# Altium PCB UZ_D_Optical_Daughter.PcbDoc (part 1 of 2) (continued)
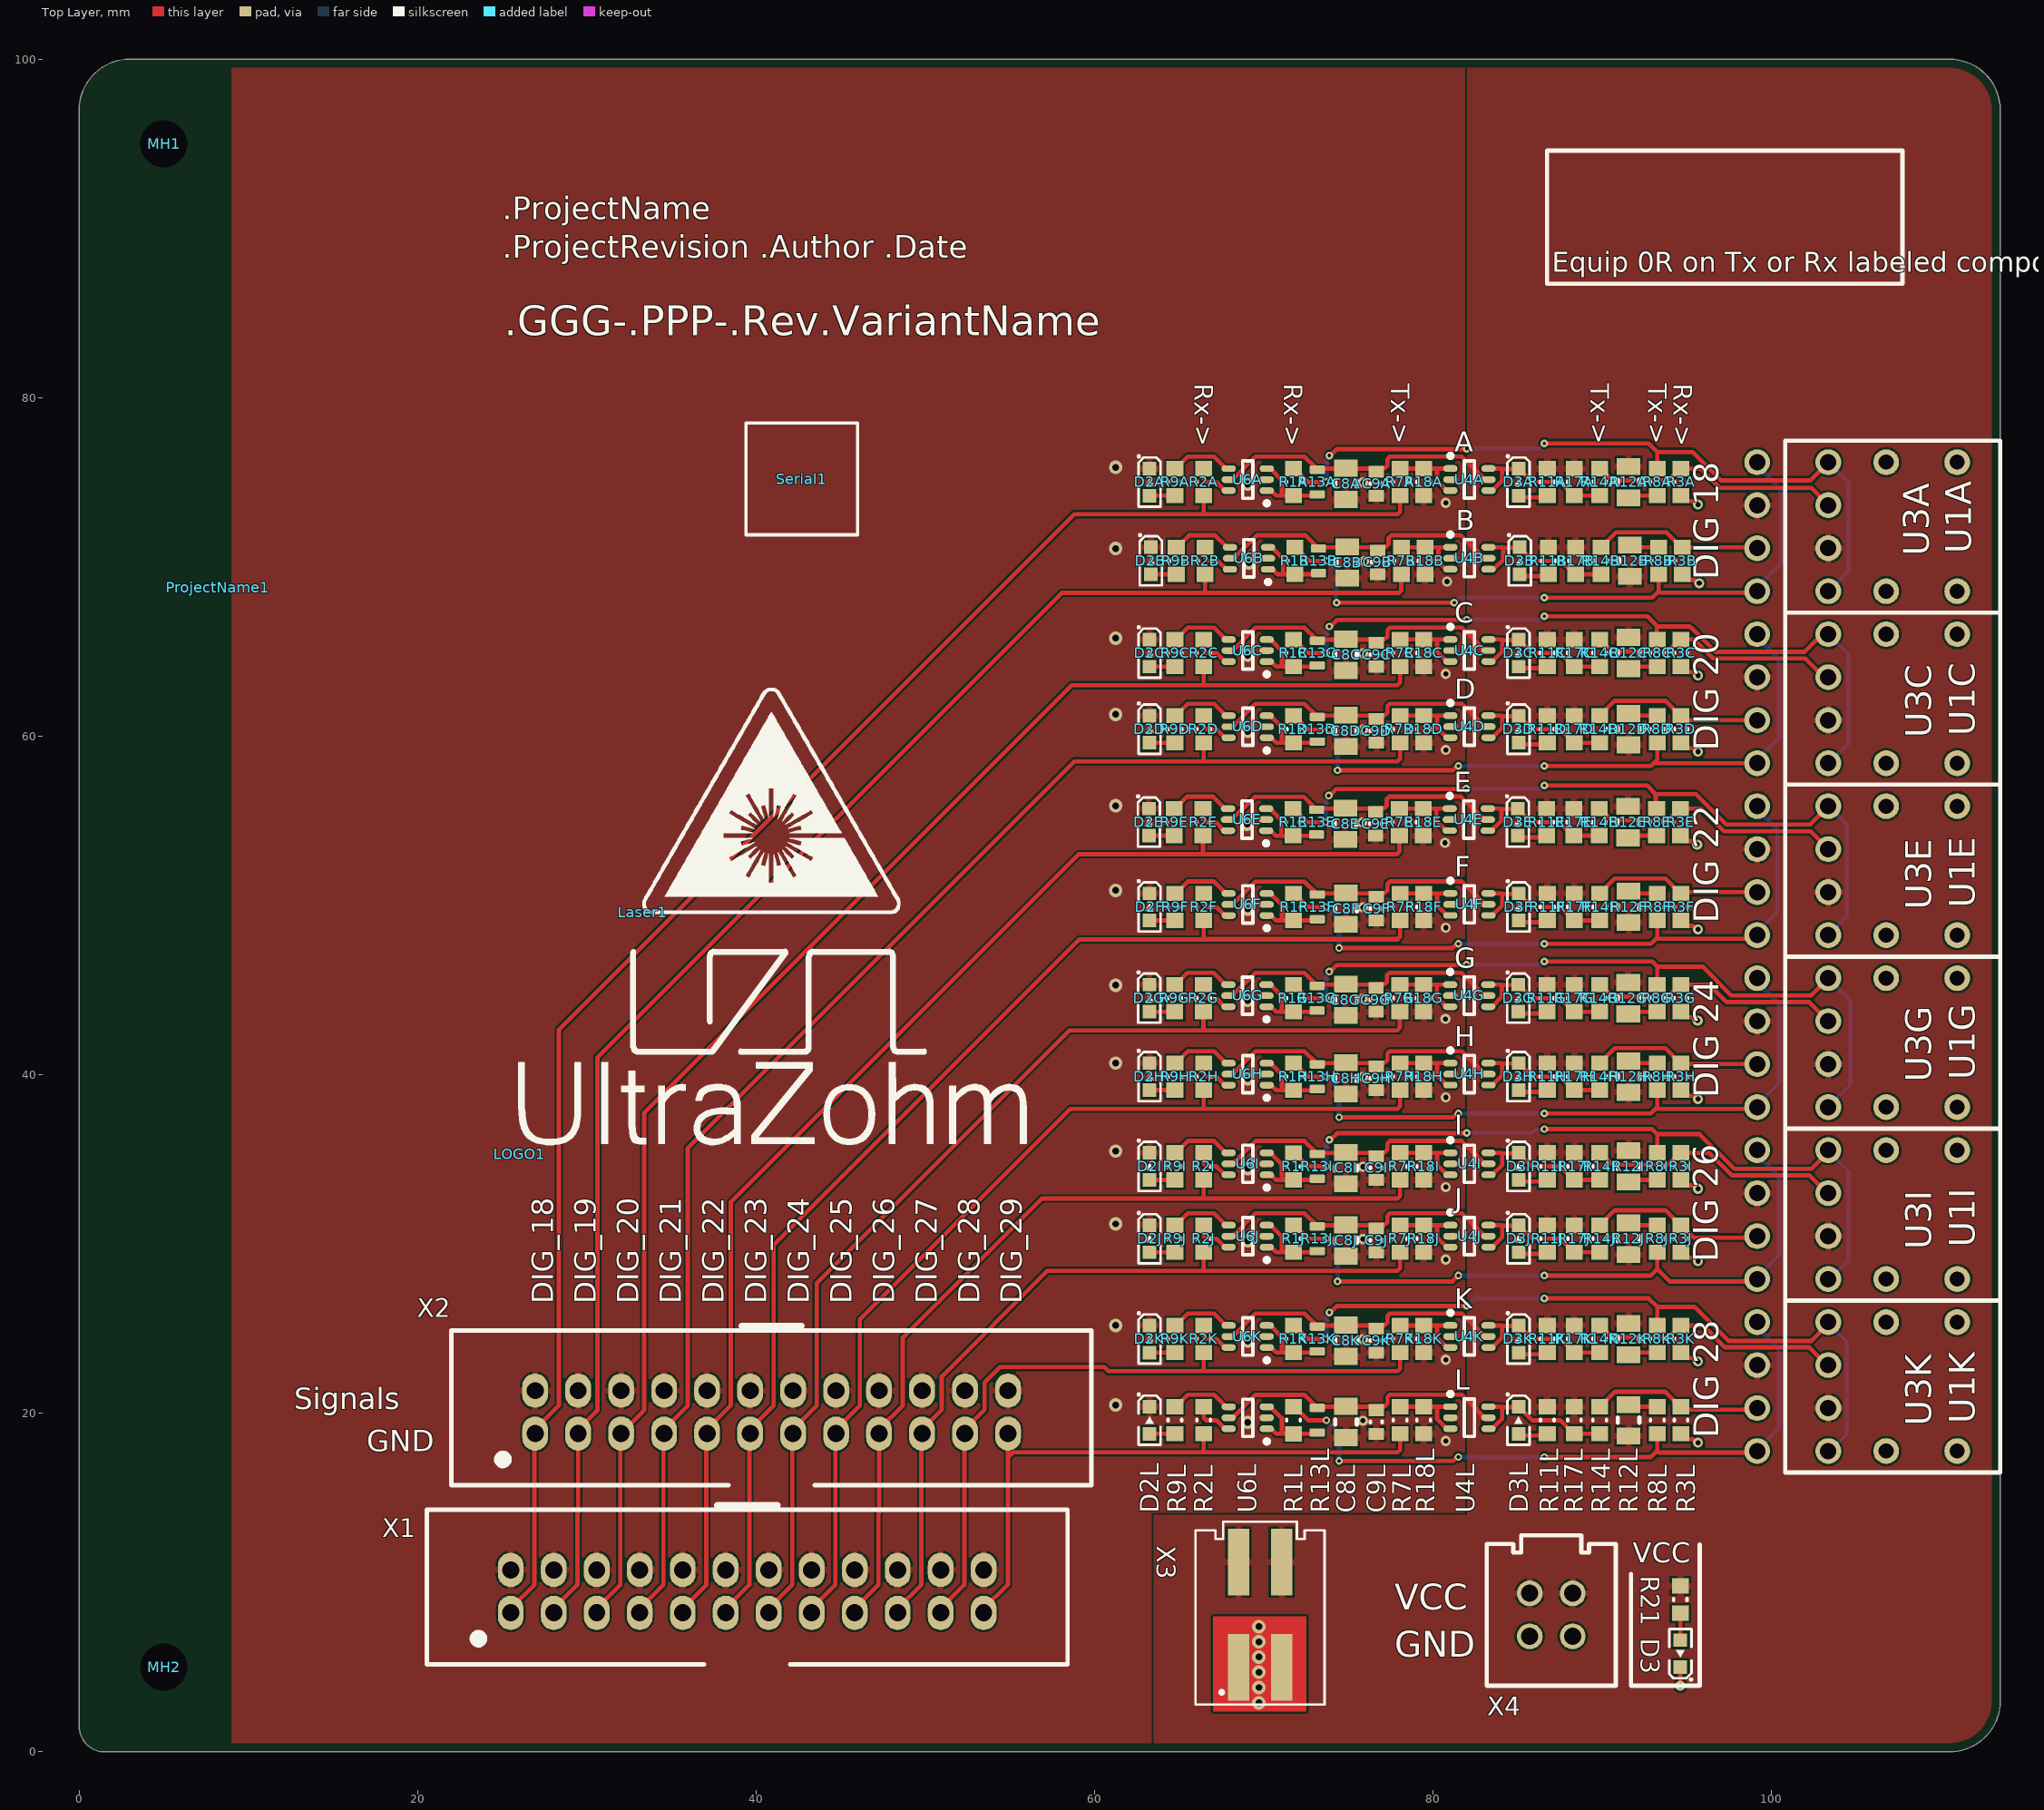
[diagram p0: Top Layer view]
## Components (designator, comment, footprint, x,y, rotation, side; value= is the part's Value field where it differs from the comment)
C8A "4.7µF" CAP_2012X06N 74.85,74.913 r270 top (schematic designator C8)
C8B "4.7µF" CAP_2012X06N 74.925,70.263 r270 top (schematic designator C8)
C8C "4.7µF" CAP_2012X06N 74.85,64.813 r270 top (schematic designator C8)
C8D "4.7µF" CAP_2012X06N 74.85,60.313 r270 top (schematic designator C8)
C8E "4.7µF" CAP_2012X06N 74.81,54.824 r270 top (schematic designator C8)
C8F "4.7µF" CAP_2012X06N 74.85,49.813 r270 top (schematic designator C8)
C8G "4.7µF" CAP_2012X06N 74.836,44.424 r270 top (schematic designator C8)
C8H "4.7µF" CAP_2012X06N 74.85,39.788 r270 top (schematic designator C8)
C8I "4.7µF" CAP_2012X06N 74.85,34.488 r270 top (schematic designator C8)
C8J "4.7µF" CAP_2012X06N 74.85,30.213 r270 top (schematic designator C8)
C8K "4.7µF" CAP_2012X06N 74.85,24.288 r270 top (schematic designator C8)
C8L "4.7µF" CAP_2012X06N 74.85,19.488 r270 top (schematic designator C8)
C9A "100nF" C_0603(1608)100_L 76.64,74.915 r270 top (schematic designator C9)
C9B "100nF" C_0603(1608)100_L 76.715,70.265 r270 top (schematic designator C9)
C9C "100nF" C_0603(1608)100_L 76.64,64.815 r270 top (schematic designator C9)
C9D "100nF" C_0603(1608)100_L 76.64,60.315 r270 top (schematic designator C9)
C9E "100nF" C_0603(1608)100_L 76.601,54.826 r270 top (schematic designator C9)
C9F "100nF" C_0603(1608)100_L 76.64,49.815 r270 top (schematic designator C9)
C9G "100nF" C_0603(1608)100_L 76.626,44.426 r270 top (schematic designator C9)
C9H "100nF" C_0603(1608)100_L 76.64,39.79 r270 top (schematic designator C9)
C9I "100nF" C_0603(1608)100_L 76.64,34.49 r270 top (schematic designator C9)
C9J "100nF" C_0603(1608)100_L 76.64,30.215 r270 top (schematic designator C9)
C9K "100nF" C_0603(1608)100_L 76.64,24.29 r270 top (schematic designator C9)
C9L "100nF" C_0603(1608)100_L 76.64,19.49 r270 top (schematic designator C9)
D2A "150060RS75000" WL-SMCW_0603 63.24,75.015 r270 top (schematic designator D2)
D2B "150060RS75000" WL-SMCW_0603 63.315,70.365 r270 top (schematic designator D2)
D2C "150060RS75000" WL-SMCW_0603 63.24,64.915 r270 top (schematic designator D2)
D2D "150060RS75000" WL-SMCW_0603 63.24,60.415 r270 top (schematic designator D2)
D2E "150060RS75000" WL-SMCW_0603 63.201,54.926 r270 top (schematic designator D2)
D2F "150060RS75000" WL-SMCW_0603 63.24,49.915 r270 top (schematic designator D2)
D2G "150060RS75000" WL-SMCW_0603 63.226,44.526 r270 top (schematic designator D2)
D2H "150060RS75000" WL-SMCW_0603 63.24,39.89 r270 top (schematic designator D2)
D2I "150060RS75000" WL-SMCW_0603 63.24,34.59 r270 top (schematic designator D2)
D2J "150060RS75000" WL-SMCW_0603 63.24,30.315 r270 top (schematic designator D2)
D2K "150060RS75000" WL-SMCW_0603 63.24,24.39 r270 top (schematic designator D2)
D2L "150060RS75000" WL-SMCW_0603 63.24,19.59 r270 top (schematic designator D2)
D3 "150060RS75000" WL-SMCW_0603 94.6,5.8 r90 top
D3A "150060GS75000" WL-SMCW_0603 85.04,75.015 r270 top (schematic designator D3)
D3B "150060GS75000" WL-SMCW_0603 85.115,70.365 r270 top (schematic designator D3)
D3C "150060GS75000" WL-SMCW_0603 85.04,64.915 r270 top (schematic designator D3)
D3D "150060GS75000" WL-SMCW_0603 85.04,60.415 r270 top (schematic designator D3)
D3E "150060GS75000" WL-SMCW_0603 85.001,54.926 r270 top (schematic designator D3)
D3F "150060GS75000" WL-SMCW_0603 85.04,49.915 r270 top (schematic designator D3)
D3G "150060GS75000" WL-SMCW_0603 85.026,44.526 r270 top (schematic designator D3)
D3H "150060GS75000" WL-SMCW_0603 85.04,39.89 r270 top (schematic designator D3)
D3I "150060GS75000" WL-SMCW_0603 85.04,34.59 r270 top (schematic designator D3)
D3J "150060GS75000" WL-SMCW_0603 85.04,30.315 r270 top (schematic designator D3)
D3K "150060GS75000" WL-SMCW_0603 85.04,24.39 r270 top (schematic designator D3)
D3L "150060GS75000" WL-SMCW_0603 85.04,19.59 r270 top (schematic designator D3)
Laser1 "Voll_Laser" VOLL_LASER 33.28,49.6 r0 top
LOGO1 "UZ Logo" UZ_Logo_small 26.022,35.3 r0 top
MH1 "MH_2.8" MH_2.8#1 109.4,93.9 r0 top
MH2 "MH_2.8" MH_2.8#2 108.9,5.8 r0 top
ProjectName1 "Project Name, Rev" ID_PROJECTREV 8.2,68.8 r0 top
R1A "0R" R_0603_N 71.749,75.013 r90 top (schematic designator R1)
R1B "0R" R_0603_N 71.825,70.363 r90 top (schematic designator R1)
R1C "0R" R_0603_N 71.749,64.913 r90 top (schematic designator R1)
R1D "0R" R_0603_N 71.75,60.413 r90 top (schematic designator R1)
R1E "0R" R_0603_N 71.71,54.924 r90 top (schematic designator R1)
R1F "0R" R_0603_N 71.749,49.913 r90 top (schematic designator R1)
R1G "0R" R_0603_N 71.736,44.524 r90 top (schematic designator R1)
R1H "0R" R_0603_N 71.749,39.888 r90 top (schematic designator R1)
R1I "0R" R_0603_N 71.749,34.588 r90 top (schematic designator R1)
R1J "0R" R_0603_N 71.75,30.313 r90 top (schematic designator R1)
R1K "0R" R_0603_N 71.749,24.388 r90 top (schematic designator R1)
R1L "0R" R_0603_N 71.749,19.588 r90 top (schematic designator R1)
R2A "0R" R_0603_N 66.44,75.015 r90 top (schematic designator R2)
R2B "0R" R_0603_N 66.515,70.365 r90 top (schematic designator R2)
R2C "0R" R_0603_N 66.44,64.915 r90 top (schematic designator R2)
R2D "0R" R_0603_N 66.44,60.415 r90 top (schematic designator R2)
R2E "0R" R_0603_N 66.401,54.926 r90 top (schematic designator R2)
R2F "0R" R_0603_N 66.44,49.915 r90 top (schematic designator R2)
R2G "0R" R_0603_N 66.426,44.526 r90 top (schematic designator R2)
R2H "0R" R_0603_N 66.44,39.89 r90 top (schematic designator R2)
R2I "0R" R_0603_N 66.44,34.59 r90 top (schematic designator R2)
R2J "0R" R_0603_N 66.44,30.315 r90 top (schematic designator R2)
R2K "0R" R_0603_N 66.44,24.39 r90 top (schematic designator R2)
R2L "0R" R_0603_N 66.44,19.59 r90 top (schematic designator R2)
R3A "0R" R_0603_N 94.64,75.015 r270 top (schematic designator R3)
R3B "0R" R_0603_N 94.715,70.365 r270 top (schematic designator R3)
R3C "0R" R_0603_N 94.64,64.915 r270 top (schematic designator R3)
R3D "0R" R_0603_N 94.64,60.415 r270 top (schematic designator R3)
R3E "0R" R_0603_N 94.601,54.926 r270 top (schematic designator R3)
R3F "0R" R_0603_N 94.64,49.915 r270 top (schematic designator R3)
R3G "0R" R_0603_N 94.626,44.526 r270 top (schematic designator R3)
R3H "0R" R_0603_N 94.64,39.89 r270 top (schematic designator R3)
R3I "0R" R_0603_N 94.64,34.59 r270 top (schematic designator R3)
R3J "0R" R_0603_N 94.64,30.315 r270 top (schematic designator R3)
R3K "0R" R_0603_N 94.64,24.39 r270 top (schematic designator R3)
R3L "0R" R_0603_N 94.64,19.59 r270 top (schematic designator R3)
R7A "0R" R_0603_N 78.04,75.015 r270 top (schematic designator R7)
R7B "0R" R_0603_N 78.115,70.365 r270 top (schematic designator R7)
R7C "0R" R_0603_N 78.04,64.915 r270 top (schematic designator R7)
R7D "0R" R_0603_N 78.04,60.415 r270 top (schematic designator R7)
R7E "0R" R_0603_N 78.001,54.926 r270 top (schematic designator R7)
R7F "0R" R_0603_N 78.04,49.915 r270 top (schematic designator R7)
R7G "0R" R_0603_N 78.026,44.526 r270 top (schematic designator R7)
R7H "0R" R_0603_N 78.04,39.89 r270 top (schematic designator R7)
R7I "0R" R_0603_N 78.04,34.59 r270 top (schematic designator R7)
R7J "0R" R_0603_N 78.04,30.315 r270 top (schematic designator R7)
R7K "0R" R_0603_N 78.04,24.39 r270 top (schematic designator R7)
R7L "0R" R_0603_N 78.04,19.59 r270 top (schematic designator R7)
R8A "0R" R_0603_N 93.24,75.015 r90 top (schematic designator R8)
R8B "0R" R_0603_N 93.315,70.365 r270 top (schematic designator R8)
R8C "0R" R_0603_N 93.24,64.915 r90 top (schematic designator R8)
R8D "0R" R_0603_N 93.24,60.415 r270 top (schematic designator R8)
R8E "0R" R_0603_N 93.201,54.926 r90 top (schematic designator R8)
R8F "0R" R_0603_N 93.24,49.915 r270 top (schematic designator R8)
R8G "0R" R_0603_N 93.226,44.526 r90 top (schematic designator R8)
R8H "0R" R_0603_N 93.24,39.89 r270 top (schematic designator R8)
R8I "0R" R_0603_N 93.24,34.59 r90 top (schematic designator R8)
R8J "0R" R_0603_N 93.24,30.315 r270 top (schematic designator R8)
R8K "0R" R_0603_N 93.24,24.39 r90 top (schematic designator R8)
R8L "0R" R_0603_N 93.24,19.59 r270 top (schematic designator R8)
R9A "680R" R_0603_N 64.74,75.015 r270 top (schematic designator R9)
R9B "680R" R_0603_N 64.815,70.365 r270 top (schematic designator R9)
R9C "680R" R_0603_N 64.74,64.915 r270 top (schematic designator R9)
R9D "680R" R_0603_N 64.74,60.415 r270 top (schematic designator R9)
R9E "680R" R_0603_N 64.701,54.926 r270 top (schematic designator R9)
R9F "680R" R_0603_N 64.74,49.915 r270 top (schematic designator R9)
R9G "680R" R_0603_N 64.726,44.526 r270 top (schematic designator R9)
R9H "680R" R_0603_N 64.74,39.89 r270 top (schematic designator R9)
R9I "680R" R_0603_N 64.74,34.59 r270 top (schematic designator R9)
R9J "680R" R_0603_N 64.74,30.315 r270 top (schematic designator R9)
R9K "680R" R_0603_N 64.74,24.39 r270 top (schematic designator R9)
R9L "680R" R_0603_N 64.74,19.59 r270 top (schematic designator R9)
R11A "680R" R_0603_N 86.74,75.015 r270 top (schematic designator R11)
R11B "680R" R_0603_N 86.815,70.365 r270 top (schematic designator R11)
R11C "680R" R_0603_N 86.74,64.915 r270 top (schematic designator R11)
R11D "680R" R_0603_N 86.74,60.415 r270 top (schematic designator R11)
R11E "680R" R_0603_N 86.701,54.926 r270 top (schematic designator R11)
R11F "680R" R_0603_N 86.74,49.915 r270 top (schematic designator R11)
R11G "680R" R_0603_N 86.726,44.526 r270 top (schematic designator R11)
R11H "680R" R_0603_N 86.74,39.89 r270 top (schematic designator R11)
R11I "680R" R_0603_N 86.74,34.59 r270 top (schematic designator R11)
R11J "680R" R_0603_N 86.74,30.315 r270 top (schematic designator R11)
R11K "680R" R_0603_N 86.74,24.39 r270 top (schematic designator R11)
R11L "680R" R_0603_N 86.74,19.59 r270 top (schematic designator R11)
R12A "56R" RES_2012X06N 91.54,75.015 r270 top (schematic designator R12)
R12B "56R" RES_2012X06N 91.615,70.365 r90 top (schematic designator R12)
R12C "56R" RES_2012X06N 91.54,64.915 r270 top (schematic designator R12)
R12D "56R" RES_2012X06N 91.54,60.415 r90 top (schematic designator R12)
R12E "56R" RES_2012X06N 91.501,54.926 r270 top (schematic designator R12)
R12F "56R" RES_2012X06N 91.54,49.915 r90 top (schematic designator R12)
R12G "56R" RES_2012X06N 91.526,44.526 r270 top (schematic designator R12)
R12H "56R" RES_2012X06N 91.54,39.89 r90 top (schematic designator R12)
R12I "56R" RES_2012X06N 91.54,34.59 r270 top (schematic designator R12)
R12J "56R" RES_2012X06N 91.54,30.315 r90 top (schematic designator R12)
R12K "56R" RES_2012X06N 91.54,24.39 r270 top (schematic designator R12)
R12L "56R" RES_2012X06N 91.54,19.59 r90 top (schematic designator R12)
R13A "10k" R_0603_TE 73.149,75.013 r180 top (schematic designator R13)
R13B "10k" R_0603_TE 73.224,70.363 r180 top (schematic designator R13)
R13C "10k" R_0603_TE 73.149,64.913 r180 top (schematic designator R13)
R13D "10k" R_0603_TE 73.15,60.413 r180 top (schematic designator R13)
R13E "10k" R_0603_TE 73.11,54.924 r180 top (schematic designator R13)
R13F "10k" R_0603_TE 73.149,49.913 r180 top (schematic designator R13)
R13G "10k" R_0603_TE 73.136,44.524 r180 top (schematic designator R13)
R13H "10k" R_0603_TE 73.149,39.888 r180 top (schematic designator R13)
R13I "10k" R_0603_TE 73.149,34.588 r180 top (schematic designator R13)
R13J "10k" R_0603_TE 73.15,30.313 r180 top (schematic designator R13)
R13K "10k" R_0603_TE 73.149,24.388 r180 top (schematic designator R13)
R13L "10k" R_0603_TE 73.149,19.588 r180 top (schematic designator R13)
R14A "0R" R_0603_N 89.84,75.015 r90 top (schematic designator R14)
R14B "0R" R_0603_N 89.915,70.365 r90 top (schematic designator R14)
R14C "0R" R_0603_N 89.84,64.915 r90 top (schematic designator R14)
R14D "0R" R_0603_N 89.84,60.415 r90 top (schematic designator R14)
R14E "0R" R_0603_N 89.801,54.926 r90 top (schematic designator R14)
R14F "0R" R_0603_N 89.84,49.915 r90 top (schematic designator R14)
R14G "0R" R_0603_N 89.826,44.526 r90 top (schematic designator R14)
R14H "0R" R_0603_N 89.84,39.89 r90 top (schematic designator R14)
R14I "0R" R_0603_N 89.84,34.59 r90 top (schematic designator R14)
R14J "0R" R_0603_N 89.84,30.315 r90 top (schematic designator R14)
R14K "0R" R_0603_N 89.84,24.39 r90 top (schematic designator R14)
R14L "0R" R_0603_N 89.84,19.59 r90 top (schematic designator R14)
R17A "2k" R_0603_N 88.34,75.015 r90 top (schematic designator R17)
R17B "2k" R_0603_N 88.415,70.365 r90 top (schematic designator R17)
R17C "2k" R_0603_N 88.34,64.915 r90 top (schematic designator R17)
R17D "2k" R_0603_N 88.34,60.415 r90 top (schematic designator R17)
R17E "2k" R_0603_N 88.301,54.926 r90 top (schematic designator R17)
R17F "2k" R_0603_N 88.34,49.915 r90 top (schematic designator R17)
R17G "2k" R_0603_N 88.326,44.526 r90 top (schematic designator R17)
R17H "2k" R_0603_N 88.34,39.89 r90 top (schematic designator R17)
R17I "2k" R_0603_N 88.34,34.59 r90 top (schematic designator R17)
R17J "2k" R_0603_N 88.34,30.315 r90 top (schematic designator R17)
R17K "2k" R_0603_N 88.34,24.39 r90 top (schematic designator R17)
R17L "2k" R_0603_N 88.34,19.59 r90 top (schematic designator R17)
R18A "2k" R_0603_N 79.44,75.015 r90 top (schematic designator R18)
R18B "2k" R_0603_N 79.515,70.365 r90 top (schematic designator R18)
R18C "2k" R_0603_N 79.44,64.915 r90 top (schematic designator R18)
R18D "2k" R_0603_N 79.44,60.415 r90 top (schematic designator R18)
R18E "2k" R_0603_N 79.401,54.926 r90 top (schematic designator R18)
R18F "2k" R_0603_N 79.44,49.915 r90 top (schematic designator R18)
R18G "2k" R_0603_N 79.426,44.526 r90 top (schematic designator R18)
R18H "2k" R_0603_N 79.44,39.89 r90 top (schematic designator R18)
R18I "2k" R_0603_N 79.44,34.59 r90 top (schematic designator R18)
R18J "2k" R_0603_N 79.44,30.315 r90 top (schematic designator R18)
R18K "2k" R_0603_N 79.44,24.39 r90 top (schematic designator R18)
R18L "2k" R_0603_N 79.44,19.59 r90 top (schematic designator R18)
R21 "680R" R_0603_N 94.6,9 r90 top
Serial1 "Serialnumber 6,3 x 6.3mm" Serial_6.3x6.3mm 42.69,75.2 r180 top
U1A "Optical Transmitter" HFBRx5XX 103.34,76.19 r90 top locked (schematic designator U1)
U1B "Optical Transmitter" HFBRx5XX 99.14,68.57 r270 bottom locked (schematic designator U1)
U1C "Optical Transmitter" HFBRx5XX 103.34,66.03 r90 top locked (schematic designator U1)
U1D "Optical Transmitter" HFBRx5XX 99.14,58.41 r270 bottom locked (schematic designator U1)
U1E "Optical Transmitter" HFBRx5XX 103.34,55.87 r90 top locked (schematic designator U1)
U1F "Optical Transmitter" HFBRx5XX 99.14,48.25 r270 bottom locked (schematic designator U1)
U1G "Optical Transmitter" HFBRx5XX 103.34,45.71 r90 top locked (schematic designator U1)
U1H "Optical Transmitter" HFBRx5XX 99.14,38.09 r270 bottom locked (schematic designator U1)
U1I "Optical Transmitter" HFBRx5XX 103.34,35.55 r90 top locked (schematic designator U1)
U1J "Optical Transmitter" HFBRx5XX 99.14,27.93 r270 bottom locked (schematic designator U1)
U1K "Optical Transmitter" HFBRx5XX 103.34,25.39 r90 top locked (schematic designator U1)
U1L "Optical Transmitter" HFBRx5XX 99.14,17.77 r270 bottom (schematic designator U1)
U3A "Optical Receiver" HFBRx5XX 103.34,76.19 r90 top locked (schematic designator U3)
U3B "Optical Receiver" HFBRx5XX 99.14,68.57 r270 bottom locked (schematic designator U3)
U3C "Optical Receiver" HFBRx5XX 103.34,66.03 r90 top locked (schematic designator U3)
U3D "Optical Receiver" HFBRx5XX 99.14,58.41 r270 bottom locked (schematic designator U3)
U3E "Optical Receiver" HFBRx5XX 103.34,55.87 r90 top locked (schematic designator U3)
U3F "Optical Receiver" HFBRx5XX 99.14,48.25 r270 bottom locked (schematic designator U3)
U3G "Optical Receiver" HFBRx5XX 103.34,45.71 r90 top locked (schematic designator U3)
U3H "Optical Receiver" HFBRx5XX 99.14,38.09 r270 bottom locked (schematic designator U3)
U3I "Optical Receiver" HFBRx5XX 103.34,35.55 r90 top locked (schematic designator U3)
U3J "Optical Receiver" HFBRx5XX 99.14,27.93 r270 bottom locked (schematic designator U3)
U3K "Optical Receiver" HFBRx5XX 103.34,25.39 r90 top locked (schematic designator U3)
U3L "Optical Receiver" HFBRx5XX 99.14,17.77 r270 bottom locked (schematic designator U3)
U4A "Dual Inverter" SN74LVC2GU04DCKR 82.14,75.165 r180 top (schematic designator U4)
U4B "Dual Inverter" SN74LVC2GU04DCKR 82.14,70.515 r180 top (schematic designator U4)
U4C "Dual Inverter" SN74LVC2GU04DCKR 82.14,65.065 r180 top (schematic designator U4)
U4D "Dual Inverter" SN74LVC2GU04DCKR 82.14,60.565 r180 top (schematic designator U4)
U4E "Dual Inverter" SN74LVC2GU04DCKR 82.101,55.076 r180 top (schematic designator U4)
U4F "Dual Inverter" SN74LVC2GU04DCKR 82.14,50.065 r180 top (schematic designator U4)
U4G "Dual Inverter" SN74LVC2GU04DCKR 82.126,44.676 r180 top (schematic designator U4)
U4H "Dual Inverter" SN74LVC2GU04DCKR 82.14,40.04 r180 top (schematic designator U4)
U4I "Dual Inverter" SN74LVC2GU04DCKR 82.14,34.74 r180 top (schematic designator U4)
U4J "Dual Inverter" SN74LVC2GU04DCKR 82.14,30.465 r180 top (schematic designator U4)
U4K "Dual Inverter" SN74LVC2GU04DCKR 82.14,24.54 r180 top (schematic designator U4)
U4L "Dual Inverter" SN74LVC2GU04DCKR 82.14,19.74 r180 top (schematic designator U4)
U6A "Dual Inverter" SN74LVC2GU04DCKR 69.041,75.163 r0 top (schematic designator U6)
U6B "Dual Inverter" SN74LVC2GU04DCKR 69.116,70.513 r0 top (schematic designator U6)
U6C "Dual Inverter" SN74LVC2GU04DCKR 69.041,65.063 r0 top (schematic designator U6)
U6D "Dual Inverter" SN74LVC2GU04DCKR 69.041,60.563 r0 top (schematic designator U6)
U6E "Dual Inverter" SN74LVC2GU04DCKR 69.002,55.074 r0 top (schematic designator U6)
U6F "Dual Inverter" SN74LVC2GU04DCKR 69.041,50.063 r0 top (schematic designator U6)
U6G "Dual Inverter" SN74LVC2GU04DCKR 69.027,44.674 r0 top (schematic designator U6)
U6H "Dual Inverter" SN74LVC2GU04DCKR 69.041,40.038 r0 top (schematic designator U6)
U6I "Dual Inverter" SN74LVC2GU04DCKR 69.041,34.738 r0 top (schematic designator U6)
U6J "Dual Inverter" SN74LVC2GU04DCKR 69.041,30.463 r0 top (schematic designator U6)
U6K "Dual Inverter" SN74LVC2GU04DCKR 69.041,24.538 r0 top (schematic designator U6)
U6L "Dual Inverter" SN74LVC2GU04DCKR 69.041,19.738 r0 top (schematic designator U6)
X1 "2x12 Header .100''" TST-112-01-G-D 39.47,9.48 r0 top
X2 "2x12 Header .100''" TST-112-01-G-D 40.91,20.07 r0 top
X3 "IPL1-102-02-L-D-K" IPL1-102-02-L-D-K-0 69.77,8.097 r90 top
X4 "IPL1-102-01-L-D-K" IPL1-102-01-L-D-K 86.97,8.097 r180 top

## Footprints (in the part's own frame and the unit in brackets; to place one, negate y for a bottom-side part, rotate by r counter-clockwise, add the part's x,y. Pads: shape width x height; smd on the part's side, far side on the other; paste and mask are expansions set on the pad)
C_0603(1608)100_L [mm] "Chip Capacitor, Body 1.6x0.8mm, Height 1.0mm, IPC High Density"
  rect 0.7x0.9 smd: 1(-0.7,0) 2(0.7,0)
  silkscreen extent -0.05,-0.35 0.05,0.35, body extent -0.8,-0.4 0.8,0.4, height 0.8
CAP_2012X06N [mm] "Chip Resistor, 2-Leads, Body 2,00x1,25mm, IPC Medium Density"
  rect 1x1.4 smd: 1(-0.925,0) 2(0.925,0)
  silkscreen extent -0.15,-0.64 0.15,0.64, body extent -1,-0.62 1,0.63, height 1.25
HFBRx5XX [mil]
  round 60 hole 38: 1(0,0) 2(-100,0) 3(-200,0) 4(-300,0)
  round 60 hole 35: 5(-300,-300) 8(0,-300)
  silkscreen extent -350,-400 50,100, body extent -350,-610 130,130, height 344
ID_PROJECTREV [mm] "project name + revision number"
IPL1-102-01-L-D-K [mil]
  round 60 hole 40 mask+3: 1(-50,50) 2(50,50) 3(-50,-50) 4(50,-50)
  silkscreen extent -150,-185 150,165, body extent -130,-165 130,145, height 320
IPL1-102-02-L-D-K-0 [mm]
  rect 3.94x1.27 smd paste+0 mask+0: 1(-3.11,1.27) 2(-3.11,-1.27) 3(3.11,1.27) 4(3.11,-1.27)
  silkscreen extent -5.3,-3.81 5.5,3.81, body extent -4.79,-3.3 4.79,3.3, height 8.76
MH_2.8#1 [mm]
  round 2.7 hole 2.8 unplated: 1(-104.4,1.1)
MH_2.8#2 [mm]
  round 2.7 hole 2.8 unplated: 1(-103.9,-0.8)
R_0603_N [mm] "SMD Resistor, Body 1.6x0.8mm, IPC Medium Density"
  rect 0.9x1 smd: 1(-0.8,0) 2(0.8,0)
  silkscreen extent -0.05,-0.4 0.05,0.4, body extent -0.8,-0.4 0.8,0.4, height 0.44
R_0603_TE [mm] "Vishay D0603 1.55 x 0.85 (+0.1/-0.05) 0.3 +/- 0,2mm Kontakte"
  rrect33% 0.9x0.5 smd: 1(0,0.73) 2(0,-0.73)
  body extent -0.42,-0.78 0.43,0.77, height 0.45
RES_2012X06N [mm] "Chip Resistor, 2-Leads, Body 2,00x1,25mm, IPC Medium Density"
  rect 1x1.4 smd: 1(-0.925,0) 2(0.925,0)
  silkscreen extent -0.15,-0.64 0.15,0.64, body extent -1,-0.63 1,0.62, height 0.45
Serial_6.3x6.3mm [mm]
  silkscreen extent -3.3,-3.3 3.3,3.3
SN74LVC2GU04DCKR [mm] "TSOP, 6-Leads, Body 2,00x1,25mm, Pitch 0,65mm, IPC Medium Density"
  oval 0.85x0.4 smd: 1(1.125,-0.65) 2(1.125,0) 3(1.125,0.65) 4(-1.125,0.65) 5(-1.125,0) 6(-1.125,-0.65)
  silkscreen extent -0.3,-1.52 1.25,1.1, body extent -0.7,-1.1 0.7,1.1, height 1.1
TST-112-01-G-D [mil] "2x12 .100'' Header Samtec"
  oval 60x80 hole 40: 1(-550,-50) 2(-550,50) 3(-450,-50) 4(-450,50) 5(-350,-50) 6(-350,50) 7(-250,-50) 8(-250,50) 9(-150,-50) 10(-150,50) 11(-50,-50) 12(-50,50) 13(50,-50) 14(50,50) 15(150,-50) 16(150,50) 17(250,-50) 18(250,50) 19(350,-50) 20(350,50) 21(450,-50) 22(450,50) 23(550,-50) 24(550,50)
  silkscreen extent -745,-170 745,200, body extent -750,-177 750,196, height 353
UZ_Logo_small [mm] "logo width 3cm"
  silkscreen extent -0.05,0.57 29.94,12.12
VOLL_LASER [mm]
  silkscreen extent 0,-0.08 15.24,13.26
WL-SMCW_0603 [mm] "SMD Mono-color Chip LED, body 1.6x0.8mm"
  rect 0.8x0.8 smd: 1(-0.8,0) 2(0.8,0)
  silkscreen extent -1.59,-0.7 1.45,0.65, body extent -0.8,-0.4 0.8,0.4, height 0.7

## Part data
C8A C8B C8C C8D C8E C8F C8G C8H C8I C8J C8K C8L: library part C_0805, "CAP 0805 (2012 Metric) SMD", Case-EIA=0805, Case-Metric=2012, Dielectric=X7R, LCSC Part #=C1779, MPN=LMF212B7475KGHT, Supplier Part Number 1=963-LMF212B7475KGHT, Tolerance=±10%, Voltage="10 V", Created=2018_09_06_AGeiger, Max Thickness="1 mm", MF="Taiyo Yuden", Package=0805, Supplier 1=Mouser, Technology=SMT
C9A C9B C9C C9D C9E C9F C9G C9H C9I C9J C9K C9L: library part C_0603, "CAP 0603 (1608 Metric) SMD", Case-EIA=0603, Case-Metric=1608, LCSC Part #=C14663, Rated Voltage="50 V", Tolerance=±5%, Created=2018_09_06_AGeiger, Max Thickness="1 mm", Package=0603, Technology=SMT
D2A D2B D2C D2D D2E D2F D2G D2H D2I D2J D2K D2L D3: library part LED_Red_0603, "WL-SMCW SMD Mono-color Chip LED Waterclear, size 0603, Red, 2 V, 140°", Emitting Color=Red, Forward Voltage="2 V", LCSC Part #=C2286, Package=0603, Supplier Part Number 1=2322071, ComponentLink1Description=Manufacturer, ComponentLink1URL=http://www.we-online.de, ComponentLink2Description=Datasheet, ComponentLink2URL=http://katalog.we-online.com/led/datasheet/150060RS75000.pdf, Created=2018_09_06_AGeiger, Dominant Wavelength="625 nm", Luminous Intensity="250 mcd", MF="Wuerth Elektronik", MPN=150060RS75000, Peak Wavelength="630 nm", Published Date="Sep. 2017", Size=0603, Supplier 1=Farnell, Supplier 2=Mouser, Supplier 3=Digi-Key, Supplier Part Number 2=710-150060RS75000, Supplier Part Number 3=732-4978-1-ND, Viewing Angle=140°
D3A D3B D3C D3D D3E D3F D3G D3H D3I D3J D3K D3L: library part LED_Green_0603, "WL-SMCW SMD Mono-color Chip LED Waterclear, size 0603, Green, 3.2 V, 140°", Emitting Color=Green, Forward Voltage="3.2 V", LCSC Part #=C965804, Package=0603, Supplier Part Number 1=2322070, ComponentLink1Description=Manufacturer, ComponentLink1URL=http://www.we-online.de, ComponentLink2Description=Datasheet, ComponentLink2URL=http://katalog.we-online.com/led/datasheet/150060GS75000.pdf, Created=2018_09_06_AGeiger, Dominant Wavelength="520 nm", Luminous Intensity="430 mcd", MF="Wuerth Elektronik", MPN=150060GS75000, Peak Wavelength="515 nm", Published Date="Sep. 2017", Size=0603, Supplier 1=Farnell, Supplier 2=Mouser, Supplier 3=Digi-Key, Supplier Part Number 2=710-150060GS75000, Supplier Part Number 3=732-4971-1-ND, Viewing Angle=140°
Laser1: "Logo Laser Warning Sign"
LOGO1: "UltraZohm Logo on PCB", Created=Jan2021_Liegmann
MH1 MH2: library part "Mounting Hole", "Non plated through hole"
ProjectName1: library part ID_ProjectRev, "Project Name and Revision Number", Created=2018_11_23_AGeiger
R1A R1B R1C R1D R1E R1F R1G R1H R1I R1J R1K R1L R2A R2B R2C R2D R2E R2F R2G R2H R2I R2J R2K R2L R7A R7B R7C R7D R7E R7F R7G R7H R7I R7J R7K R7L R8A R8B R8C R8D R8E R8F R8G R8H R8I R8J R8K R8L R14A R14B R14C R14D R14E R14F R14G R14H R14I R14J R14K R14L: library part R_0603_JLC, "SMD Resistor 0603", LCSC Part #=C21189, Package=0603, Power="100 mW", Supplier Part Number 1=71-CRCW06030000Z0EBC, Tolerance=1%, Voltage=75V, Created=2018_09_06_AGeiger, Supplier 1=Mouser
R3A R3B R3C R3D R3E R3F R3G R3H R3I R3J R3K R3L: library part R_0603, "SMD Resistor 0603", LCSC Part #=C21189, MPN=CRCW06030000Z0EBC, Package=0603, Power="100 mW", Supplier Part Number 1=71-CRCW06030000Z0EBC, Tolerance=1%, Voltage=75V, Created=2018_09_06_AGeiger, MF=Vishay, Supplier 1=Mouser
R9A R9B R9C R9D R9E R9F R9G R9H R9I R9J R9K R9L R11A R11B R11C R11D R11E R11F R11G R11H R11I R11J R11K R11L R21: library part R_0603, "SMD Resistor 0603", LCSC Part #=C23228, MPN=CR0603-FX-3901ELF, Package=0603, Power="100 mW", Supplier Part Number 1=652-CR0603-FX3901ELF, Tolerance=1%, Voltage=75V, Created=2018_09_06_AGeiger, MF=Bourns, Supplier 1=Mouser
R12A R12B R12C R12D R12E R12F R12G R12H R12I R12J R12K R12L: library part R_0805, "SMD Resistor 0805", Case_EIA=0805, LCSC Part #=C17437, MPN=CR0805-FX-1200ELF, Power="125 mW", Supplier Part Number 1=652-CR0805FX-1200ELF*, Tolerance=1%, Voltage="150 V", MF=Bourns, Supplier 1=Mouser
R13A R13B R13C R13D R13E R13F R13G R13H R13I R13J R13K R13L: library part UZgen_R_0603_10k, "Generic resistor", Device Package=0603, LCSC Part #=C25804, Manufacturer=UZgen, Tolerance="1 %", Created from=AGeiger, Created On="02.07.2024 14:34:53", Last Updated="02.07.2024 14:37:16", Manufacturer Part Number=UZgen_R_0603_10k, Mounting Type=SMD, PartID=1
R17A R17B R17C R17D R17E R17F R17G R17H R17I R17J R17K R17L R18A R18B R18C R18D R18E R18F R18G R18H R18I R18J R18K R18L: library part R_0603, "SMD Resistor 0603", LCSC Part #=C22975, MPN=RC0603FR-072KL, Package=0603, Power="100 mW", Supplier Part Number 1=603-RC0603FR-072KL, Tolerance=1%, Voltage="75 V", Created=2018_09_06_AGeiger, MF=Yageo, Supplier 1=Mouser
Serial1: library part SerialNumber, Created=2018_09_18_AGeiger
U1A U1B U1C U1D U1E U1F U1G U1H U1I U1J U1K U1L: library part HFBR-1521Z, "Fibre Optic Transmitters, Link Horiz 5MBd Tx RoHS", Foreward Current="60 mA", Supplier Part Number 1=630-HFBR-1521Z, Supply Voltage=5V, Created=2019_04_09_Kreppel, Data Rate="5 MBd", MF=Broadcom/Avago, MPN=HFBR-1521Z, Supplier 1=Mouser, Supplier 2=Digi-Key, Supplier Part Number 2=516-2043-ND, Wavelength="660 nm"
U3A U3B U3C U3D U3E U3F U3G U3H U3I U3J U3K U3L: library part HFBR-2528Z, "Fibre Optic Receivers, LINK HORIZ 5MBd RC VR RoHS", MPN=HFBR-2521Z, Suppier Part Number 2=516-2062-ND, Supplier Part Number 1=630-HFBR-2521Z, Supply Voltage=5V, Created=2019_04_09_Kreppel, Data Rate="5 MBd", Iout max="25 mA", MF=Boadcom/Avago, Supplier 1=Mouser, Supplier 2=Digi-Key, Wavelength="660 nm"
U4A U4B U4C U4D U4E U4F U4G U4H U4I U4J U4K U4L U6A U6B U6C U6D U6E U6F U6G U6H U6I U6J U6K U6L: library part SN74LVC2GU04DCKR, "This dual inverter is designed for 1.65-V to 5.5-V VCC / operation.", JLCSMT Rotation=180, LCSC Part #=C116660
X1 X2: library part TST-112-01-G-D, "Double Row, 12 positions, Shrouded Terminal Header .100''", LCSC Part #=C5372869, Supplier Part Number 1=200-TST11201GD, Created=2020_04_Kreppel, MF=Samtec, MPN=TST-112-01-G-D, Supplier 1=Mouser
X3: "P=2.54mm Wire To Board Connector ROHS", Device Package=Connector, LCSC Part Number=C7437440, Manufacturer=SAMTEC, Operating Temperature="-55 - +125 °C", Supplier Part Number 1=200-IPL110202LDK, Component Type="Samtec Connector", ComponentLink1Description=Datasheet, ComponentLink1URL=https://wmsc.lcsc.com/wmsc/upload/file/pdf/v2/lcsc/2312312026_Samtec-IPL1-102-02-L-D-K_C7437440.pdf, Created from=KIlhan, Created On="20/03/2025 08:58:37", Last Updated="20/03/2025 09:02:48", Live Cycle Status=1, Manufacturer Part Number=IPL1-102-02-L-D-K, Mounting Type=THT, Number of positions=2, Number of rows=2, PartID=59, Stock number="not stored", Supplier 1=Mouser, Supplier 2=LCSC, Supplier Part Number 2=C7437440, Type=Connector
X4: library part IPL1-102-XX-X-D-X, "2.54mm Double Row Terminal Assembly, Right-Angled", LCSC Part #=C5714565, Manufacturer=SAMTEC, Created=2018_05_02_AGeiger, MPN=IPL1-102-01-L-D-K

## Via types
v1: diameter 0.45, hole 0.2, Top Layer to Bottom Layer, tented both sides, 48 vias
v2: diameter 0.6, hole 0.3, Top Layer to Bottom Layer, tented both sides, 37 vias
v3: diameter 0.8, hole 0.4, Top Layer to Bottom Layer, tented both sides, 30 vias

## Nets (pads, with @x,y where several pads share a name; then routed paths per layer and width w, separated by ;. In a path a pad name is that pad's centre, name@x,y a point inside that pad or via, vN(x,y) a via of type N, cw(c..) or ccw(c..) an arc to the next point about the centre after c; other vN are vias at no path point)
GND: C8A.2 C8B.2 C8C.2 C8D.2 C8E.2 C8F.2 C8G.2 C8H.2 C8I.2 C8J.2 C8K.2 C8L.2 C9A.2 C9B.2 C9C.2 C9D.2 C9E.2 C9F.2 C9G.2 C9H.2 C9I.2 C9J.2 C9K.2 C9L.2 D2A.1 D2B.1 D2C.1 D2D.1 D2E.1 D2F.1 D2G.1 D2H.1 D2I.1 D2J.1 D2K.1 D2L.1 D3.1 R3A.2 R3B.2 R3C.2 R3D.2 R3E.2 R3F.2 R3G.2 R3H.2 R3I.2 R3J.2 R3K.2 R3L.2 R18A.1 R18B.1 R18C.1 R18D.1 R18E.1 R18F.1 R18G.1 R18H.1 R18I.1 R18J.1 R18K.1 R18L.1 U4A.2 U4B.2 U4C.2 U4D.2 U4E.2 U4F.2 U4G.2 U4H.2 U4I.2 U4J.2 U4K.2 U4L.2 U6A.2 U6B.2 U6C.2 U6D.2 U6E.2 U6F.2 U6G.2 U6H.2 U6I.2 U6J.2 U6K.2 U6L.2 X1.2 X1.4 X1.6 X1.8 X1.10 X1.12 X1.14 X1.16 X1.18 X1.20 X1.22 X1.24 X2.2 X2.4 X2.6 X2.8 X2.10 X2.12 X2.14 X2.16 X2.18 X2.20 X2.22 X2.24 X3.1 X3.2 X4.1 X4.2 | length 15.7
  Top Layer w0.254: v2(94.6,3.9) D3.1@94.6,5 ; R3E.2@94.601,54.126 94.924,53.803 95.305,53.803 95.507,53.601 v2(95.601,53.601) ; R3G.2@94.626,43.726 94.949,43.403 95.33,43.403 95.532,43.201 v2(95.626,43.201) ; R3L.2@94.64,18.79 94.963,18.467 95.344,18.467 95.546,18.265 v2(95.64,18.265) ; R3K.2@94.64,23.59 94.963,23.267 95.344,23.267 95.546,23.065 v2(95.64,23.065) ; R3J.2@94.64,29.515 94.963,29.192 95.344,29.192 95.546,28.99 v2(95.64,28.99) ; R3I.2@94.64,33.79 94.963,33.467 95.344,33.467 95.546,33.265 v2(95.64,33.265) ; R3H.2@94.64,39.09 94.963,38.767 95.344,38.767 95.546,38.565 v2(95.64,38.565) ; R3F.2@94.64,49.115 94.963,48.792 95.344,48.792 95.546,48.59 v2(95.64,48.59) ; R3D.2@94.64,59.615 94.963,59.292 95.344,59.292 95.546,59.09 v2(95.64,59.09) ; R3C.2@94.64,64.115 94.963,63.792 95.344,63.792 95.546,63.59 v2(95.64,63.59) ; R3A.2@94.64,74.215 94.963,73.892 95.344,73.892 95.546,73.69 v2(95.64,73.69) ; R3B.2@94.715,69.565 95.038,69.242 95.419,69.242 95.621,69.04 v2(95.715,69.04)
  other v2: 80.74,18.365 75.84,19.565 80.74,23.165 75.84,24.365 80.74,29.09 75.84,30.29 80.74,33.365 75.84,34.565 80.74,38.665 75.84,39.865 80.726,43.301 75.826,44.501 80.74,48.69 75.84,49.89 80.701,53.701 75.801,54.901 80.74,59.19 75.84,60.39 80.74,63.69 75.84,64.89 80.815,69.14 75.915,70.34 80.74,73.79 75.84,74.99
  other v3: 69.7,2.9 69.7,3.8 69.7,4.7 69.7,5.6 69.7,6.5 69.7,7.4 69.04,19.465 61.24,20.49 69.04,24.265 61.24,25.19 69.04,30.19 61.24,31.19 69.04,34.465 61.24,35.49 69.04,39.765 61.24,40.69 69.026,44.401 61.24,45.29 69.04,49.79 61.24,50.89 69.001,54.801 61.24,55.89 69.04,60.29 61.24,61.29 69.04,64.79 61.24,65.79 69.115,70.24 61.24,71.09 69.04,74.89 61.24,75.89
NetD2A_2: D2A.2 R9A.2 | length 1.5
  Top Layer w0.254: D2A.2@63.24,74.215 R9A.2@64.74,74.215
NetD2B_2: D2B.2 R9B.2 | length 1.5
  Top Layer w0.254: D2B.2@63.315,69.565 R9B.2@64.815,69.565
NetD2C_2: D2C.2 R9C.2 | length 1.5
  Top Layer w0.254: D2C.2@63.24,64.115 R9C.2@64.74,64.115
NetD2D_2: D2D.2 R9D.2 | length 1.5
  Top Layer w0.254: D2D.2@63.24,59.615 R9D.2@64.74,59.615
NetD2E_2: D2E.2 R9E.2 | length 1.5
  Top Layer w0.254: D2E.2@63.201,54.126 R9E.2@64.701,54.126
NetD2F_2: D2F.2 R9F.2 | length 1.5
  Top Layer w0.254: D2F.2@63.24,49.115 R9F.2@64.74,49.115
NetD2G_2: D2G.2 R9G.2 | length 1.5
  Top Layer w0.254: D2G.2@63.226,43.726 R9G.2@64.726,43.726
NetD2H_2: D2H.2 R9H.2 | length 1.5
  Top Layer w0.254: D2H.2@63.24,39.09 R9H.2@64.74,39.09
NetD2I_2: D2I.2 R9I.2 | length 1.5
  Top Layer w0.254: D2I.2@63.24,33.79 R9I.2@64.74,33.79
NetD2J_2: D2J.2 R9J.2 | length 1.5
  Top Layer w0.254: D2J.2@63.24,29.515 R9J.2@64.74,29.515
NetD2K_2: D2K.2 R9K.2 | length 1.5
  Top Layer w0.254: D2K.2@63.24,23.59 R9K.2@64.74,23.59
NetD2L_2: D2L.2 R9L.2 | length 1.5
  Top Layer w0.254: D2L.2@63.24,18.79 R9L.2@64.74,18.79
NetD3_2: D3.2 R21.1 | length 1.6
  Top Layer w0.254: D3.2@94.6,6.6 R21.1@94.6,8.2
NetD3A_2: D3A.2 R11A.2 | length 1.9
  Top Layer w0.254: D3A.2@85.04,74.115 R11A.2@86.94,74.115
NetD3B_2: D3B.2 R11B.2 | length 1.9
  Top Layer w0.254: D3B.2@85.115,69.465 R11B.2@87.015,69.465
NetD3C_2: D3C.2 R11C.2 | length 1.6
  Top Layer w0.254: D3C.2@85.34,64.015 R11C.2@86.94,64.015
NetD3D_2: D3D.2 R11D.2 | length 1.9
  Top Layer w0.254: D3D.2@85.04,59.515 R11D.2@86.94,59.515
NetD3E_2: D3E.2 R11E.2 | length 1.6
  Top Layer w0.254: D3E.2@85.301,54.026 R11E.2@86.901,54.026
NetD3F_2: D3F.2 R11F.2 | length 1.9
  Top Layer w0.254: D3F.2@85.04,49.015 R11F.2@86.94,49.015
NetD3G_2: D3G.2 R11G.2 | length 1.6
  Top Layer w0.254: D3G.2@85.326,43.626 R11G.2@86.926,43.626
NetD3H_2: D3H.2 R11H.2 | length 1.9
  Top Layer w0.254: D3H.2@85.04,38.99 R11H.2@86.94,38.99
NetD3I_2: D3I.2 R11I.2 | length 1.6
  Top Layer w0.254: D3I.2@85.34,33.69 R11I.2@86.94,33.69
NetD3J_2: D3J.2 R11J.2 | length 1.9
  Top Layer w0.254: D3J.2@85.04,29.415 R11J.2@86.94,29.415
NetD3K_2: D3K.2 R11K.2 | length 1.6
  Top Layer w0.254: D3K.2@85.34,23.49 R11K.2@86.94,23.49
NetD3L_2: D3L.2 R11L.2 | length 1.9
  Top Layer w0.254: D3L.2@85.04,18.69 R11L.2@86.94,18.69
NetR1A_1: R1A.1 R13A.1 U6A.1 U6A.3 | length 5.2
  Top Layer w0.254: U6A.1@70.166,74.513 70.431,74.513 70.731,74.213 71.058,74.213 ; U6A.3@70.166,75.813 70.386,75.813 71.058,75.141 71.058,74.213 ; R13A.1@73.149,74.213 R1A.1@71.749,74.213 71.058,74.213
NetR1B_1: R1B.1 R13B.1 U6B.1 U6B.3 | length 5.2
  Top Layer w0.254: U6B.1@70.241,69.863 70.506,69.863 70.806,69.563 71.133,69.563 ; U6B.3@70.241,71.163 70.461,71.163 71.133,70.491 71.133,69.563 ; R13B.1@73.224,69.563 71.824,69.563 71.133,69.563
NetR1C_1: R1C.1 R13C.1 U6C.1 U6C.3 | length 5.2
  Top Layer w0.254: U6C.1@70.166,64.413 70.431,64.413 70.731,64.113 71.058,64.113 ; U6C.3@70.166,65.713 70.386,65.713 71.058,65.041 71.058,64.113 ; R13C.1@73.149,64.113 R1C.1@71.749,64.113 71.058,64.113
NetR1D_1: R1D.1 R13D.1 U6D.1 U6D.3 | length 5.2
  Top Layer w0.254: U6D.1@70.166,59.913 70.431,59.913 70.731,59.613 71.058,59.613 ; U6D.3@70.166,61.213 70.386,61.213 71.058,60.541 71.058,59.613 ; R13D.1@73.15,59.613 R1D.1@71.75,59.613 71.058,59.613
NetR1E_1: R1E.1 R13E.1 U6E.1 U6E.3 | length 5.2
  Top Layer w0.254: U6E.1@70.127,54.424 70.392,54.424 70.692,54.124 71.019,54.124 ; U6E.3@70.127,55.724 70.347,55.724 71.019,55.052 71.019,54.124 ; R13E.1@73.11,54.124 R1E.1@71.71,54.124 71.019,54.124
NetR1F_1: R1F.1 R13F.1 U6F.1 U6F.3 | length 5.2
  Top Layer w0.254: U6F.1@70.166,49.413 70.431,49.413 70.731,49.113 71.058,49.113 ; U6F.3@70.166,50.713 70.386,50.713 71.058,50.041 71.058,49.113 ; R13F.1@73.149,49.113 R1F.1@71.749,49.113 71.058,49.113
NetR1G_1: R1G.1 R13G.1 U6G.1 U6G.3 | length 5.2
  Top Layer w0.254: U6G.1@70.152,44.024 70.417,44.024 70.717,43.724 71.044,43.724 ; U6G.3@70.152,45.324 70.372,45.324 71.044,44.652 71.044,43.724 ; R13G.1@73.136,43.724 71.736,43.724 71.044,43.724
NetR1H_1: R1H.1 R13H.1 U6H.1 U6H.3 | length 5.2
  Top Layer w0.254: U6H.1@70.166,39.388 70.431,39.388 70.731,39.088 71.058,39.088 ; U6H.3@70.166,40.688 70.386,40.688 71.058,40.016 71.058,39.088 ; R13H.1@73.149,39.088 R1H.1@71.749,39.088 71.058,39.088